# Altium PCB 0020-03_FFT2G.PcbDoc (part 1 of 16) (continued)
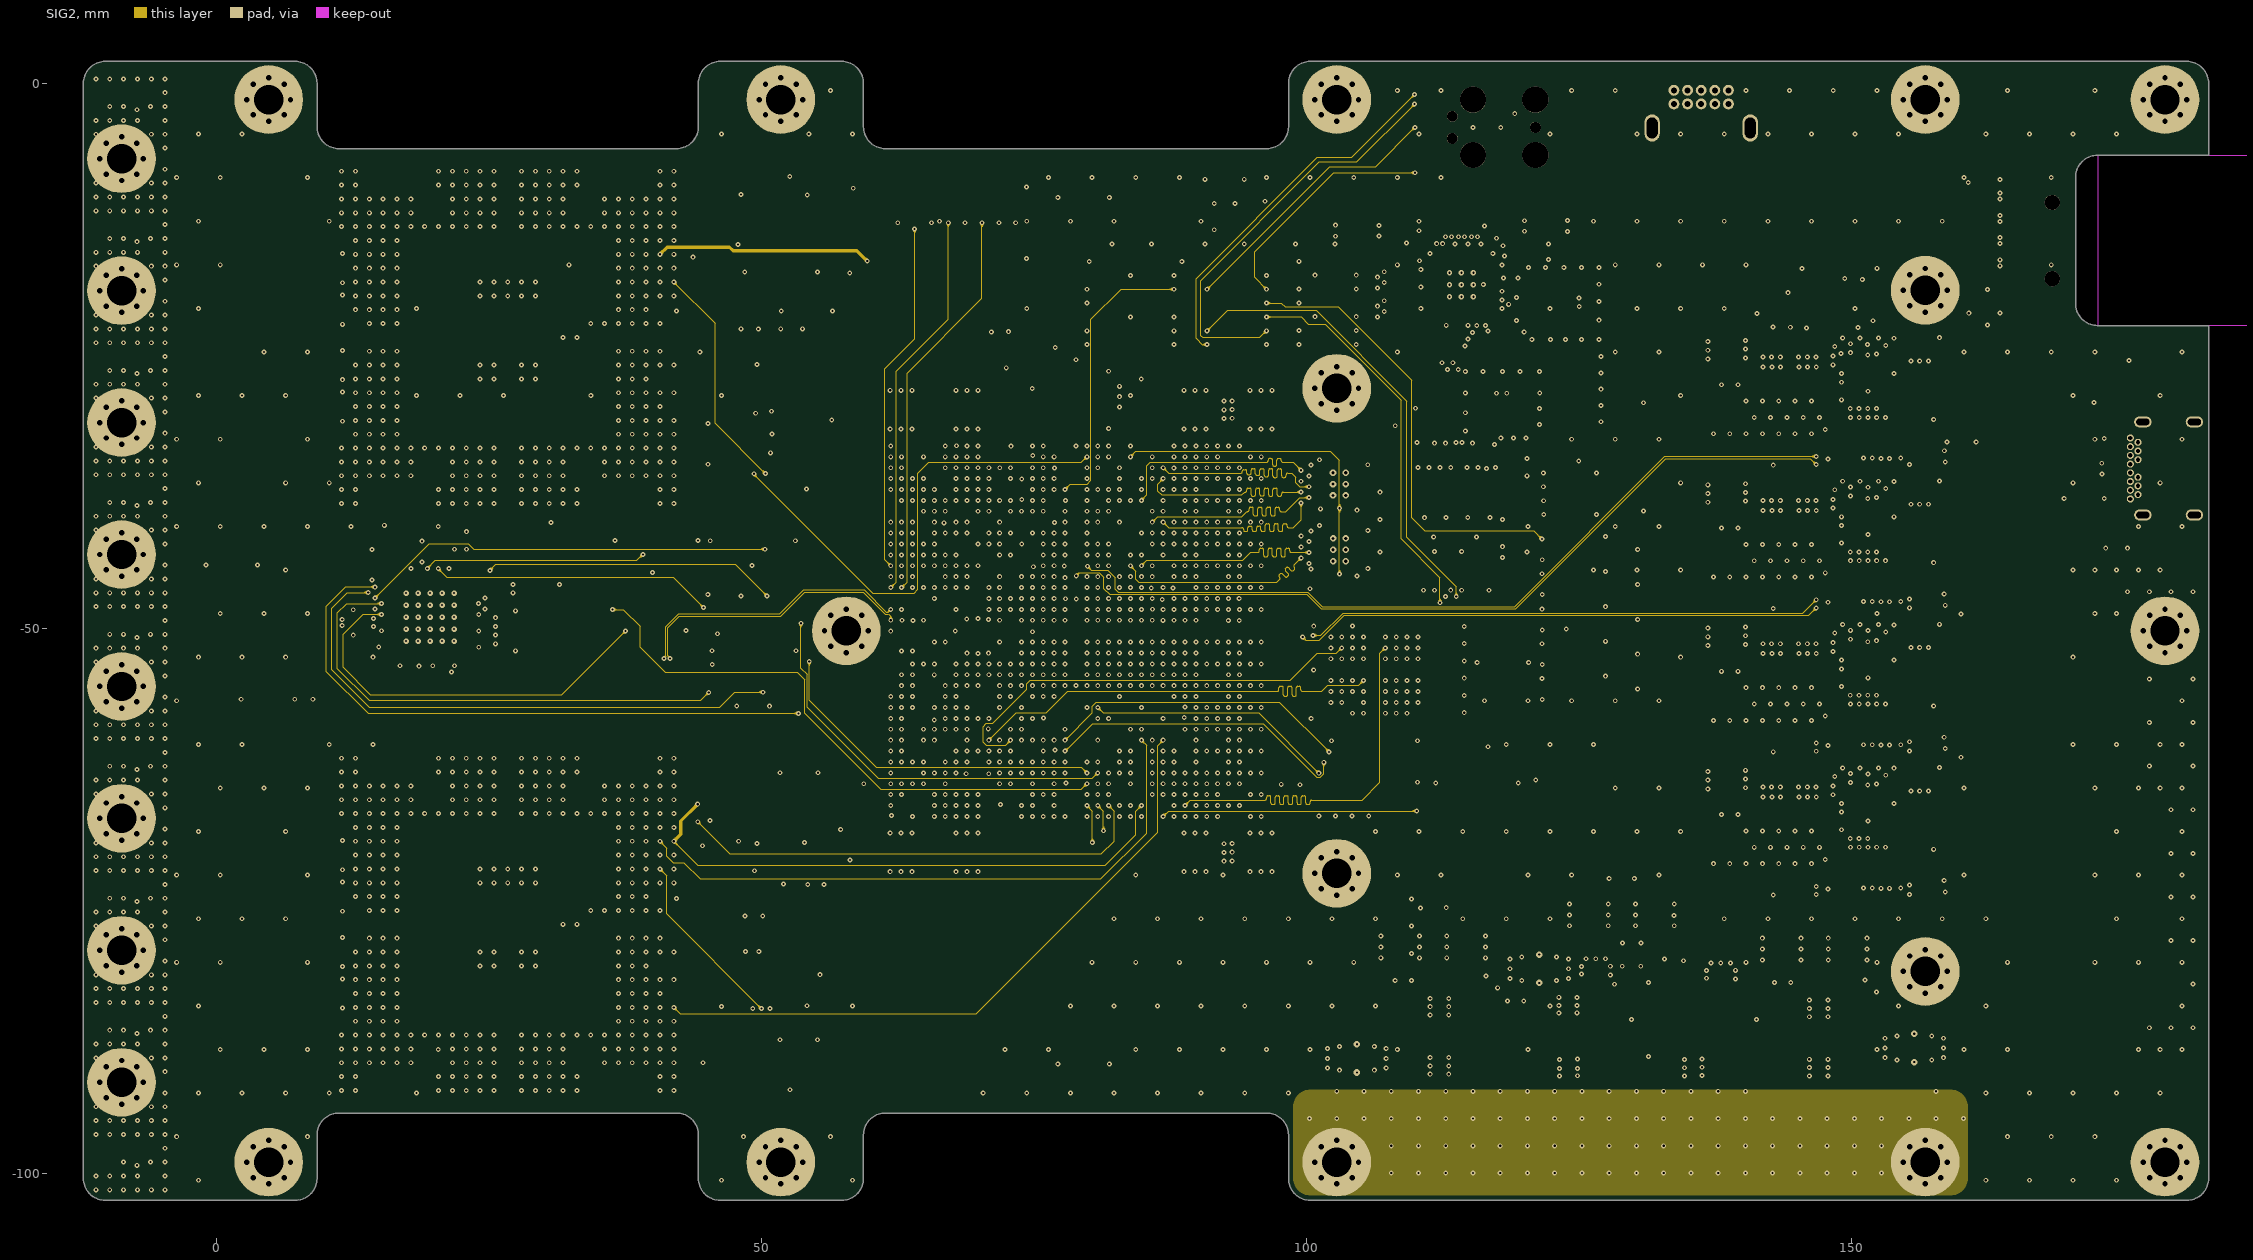
[diagram p10: SIG2]
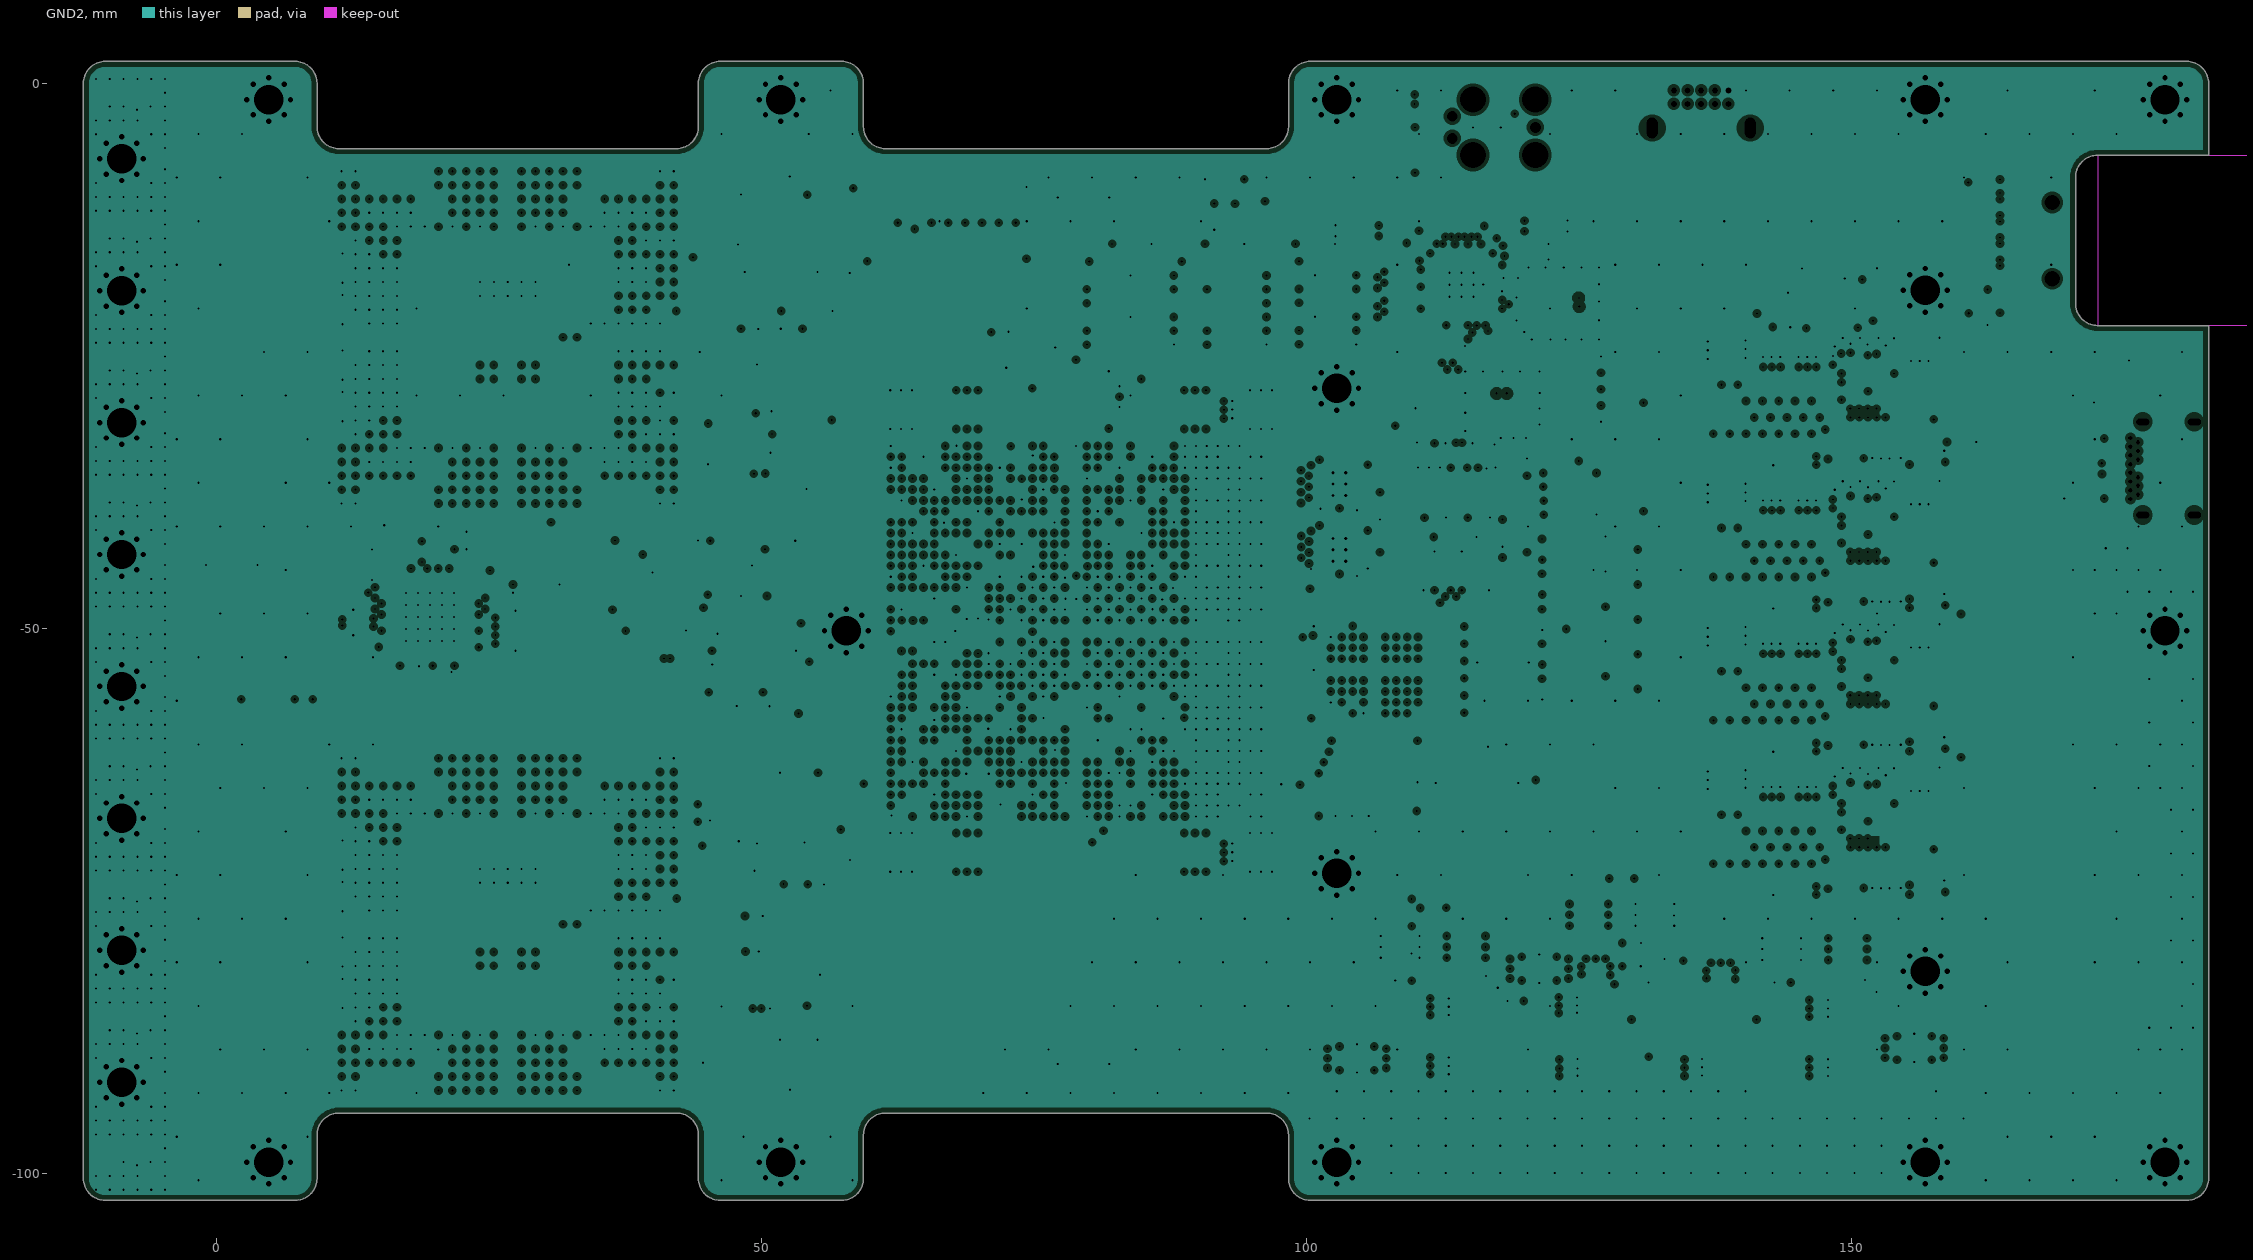
[diagram p11: GND2, clearances drawn from the general rule]

## Layer stack, top to bottom
Top Solder: solder mask 0.0102, Solder Resist, Dk 3.5
Top Layer: signal copper 0.018
Dielectric 2: prepreg 0.109, FR4 TG150, Dk 4
GND1: plane copper 0.018, net GND
Dielectric 1: core 0.1, FR4 TG150, Dk 4.5
LVDS1: signal copper 0.018
Dielectric1: prepreg 0.122, FR4 TG150, Dk 4.1
PWR1: plane copper 0.018, net (Multiple Nets)
Dielectric7: core 0.1, FR4 TG150, Dk 4.5
LVDS2: signal copper 0.018
Dielectric2: prepreg 0.122, FR4 TG150, Dk 4.1
PWR2: plane copper 0.018, net (Multiple Nets)
Dielectric3: core 0.1, FR4 TG150, Dk 4.5
LVDS3: signal copper 0.018
Dielectric4: prepreg 0.122, FR4 TG150, Dk 4.1
PWR3: plane copper 0.018, net (Multiple Nets)
Dielectric8: core 0.1, FR4 TG150, Dk 4.5
SIG1: signal copper 0.018
Dielectric5: prepreg 0.122, FR4 TG150, Dk 4.1
SIG2: signal copper 0.018
Dielectric6: core 0.1, FR4 TG150, Dk 4.5
GND2: plane copper 0.018, net GND
Dielectric9: prepreg 0.109, FR4 TG150, Dk 4
Bottom Layer: signal copper 0.018
Bottom Solder: solder mask 0.0102, Solder Resist, Dk 3.5

## Board outline
-10.2,-102.5 7.234,-102.5 ccw(c7.234,-100.5) 9.234,-100.5 9.234,-96.5 cw(c11.234,-96.5) 11.234,-94.5 42.228,-94.5 cw(c42.228,-96.5) 44.228,-96.5 44.228,-100.5 ccw(c46.228,-100.5) 46.228,-102.5 57.376,-102.5 ccw(c57.376,-100.5) 59.376,-100.5 59.376,-96.5 cw(c61.376,-96.5) 61.376,-94.5 96.375,-94.5 cw(c96.375,-96.5) 98.375,-96.5 98.375,-100.5 ccw(c100.375,-100.5) 100.375,-102.5 180.799,-102.5 ccw(c180.799,-100.5) 182.799,-100.5 182.799,-22.236 172.599,-22.236 cw(c172.599,-20.236) 170.599,-20.236 170.599,-8.616 cw(c172.599,-8.616) 172.599,-6.616 182.799,-6.616 182.799,0 ccw(c180.799,0) 180.799,2 100.375,2 ccw(c100.375,0) 98.375,0 98.375,-4 cw(c96.375,-4) 96.375,-6 61.376,-6 cw(c61.376,-4) 59.376,-4 59.376,0 ccw(c57.376,0) 57.376,2 46.228,2 ccw(c46.228,0) 44.228,0 44.228,-4 cw(c42.228,-4) 42.228,-6 11.234,-6 cw(c11.234,-4) 9.234,-4 9.234,0 ccw(c7.234,0) 7.234,2 -10.2,2 ccw(c-10.2,0) -12.2,0 -12.2,-100.5 ccw(c-10.2,-100.5)

## Design rules (kind name [scope] priority, off if disabled: settings)
BoardOutlineClearance [All] p1: gap=0.25 ignorepadtopadclearanceinfootprint=FALSE except(0: Arc-SplitContinuation Track-SplitContinuation SMDPad-SplitContinuation THPad-SplitContinuation Via-SplitContinuation Fill-SplitContinuation Poly-SplitContinuation Region-SplitContinuation Text-SplitContinuation)
Clearance [All] p1: gap=0.1 ignorepadtopadclearanceinfootprint=FALSE except(0: Arc-Hole Track-Hole SMDPad-Hole THPad-Hole Via-Hole Fill-Hole Poly-Hole Region-Hole Text-Hole)
ComponentClearance "ComponentClearance_PCB Objects" [InComponentClass('PCBObjects')] p1: gap=0 collisioncheckmode=3 verticalgap=0 showdistances=FALSE
ComponentClearance [All] p2: gap=0.1 collisioncheckmode=3 verticalgap=0.1 showdistances=TRUE
DiffPairsRouting "Schematic Differential Pairs Routing_9" [InNetClass('DiffPairs_FPGA')] p1: maxlimit=0.1 minlimit=0.1 mostfreqgap=0.1 toplayer_minwidth=0.1 toplayer_maxwidth=0.1 toplayer_prefwidth=0.1 midlayer1_minwidth=0.1 midlayer1_maxwidth=0.1 midlayer1_prefwidth=0.1 midlayer2_minwidth=0.1 midlayer2_maxwidth=0.1 midlayer2_prefwidth=0.1 midlayer3_minwidth=0.1 midlayer3_maxwidth=0.1 midlayer3_prefwidth=0.1 midlayer4_minwidth=0.1 midlayer4_maxwidth=0.1 midlayer4_prefwidth=0.1 midlayer5_minwidth=0.1 midlayer5_maxwidth=0.1 midlayer5_prefwidth=0.1 bottomlayer_minwidth=0.1 bottomlayer_maxwidth=0.1 bottomlayer_prefwidth=0.1 maxuncoupledlength=5
DiffPairsRouting "Schematic Differential Pairs Routing_2" [InNetClass('DiffPairs_FPGA_CLK')] p2: maxlimit=0.1 minlimit=0.1 mostfreqgap=0.1 toplayer_minwidth=0.1 toplayer_maxwidth=0.1 toplayer_prefwidth=0.1 midlayer1_minwidth=0.1 midlayer1_maxwidth=0.1 midlayer1_prefwidth=0.1 midlayer2_minwidth=0.1 midlayer2_maxwidth=0.1 midlayer2_prefwidth=0.1 midlayer3_minwidth=0.1 midlayer3_maxwidth=0.1 midlayer3_prefwidth=0.1 midlayer4_minwidth=0.1 midlayer4_maxwidth=0.1 midlayer4_prefwidth=0.1 midlayer5_minwidth=0.1 midlayer5_maxwidth=0.1 midlayer5_prefwidth=0.1 bottomlayer_minwidth=0.1 bottomlayer_maxwidth=0.1 bottomlayer_prefwidth=0.1 maxuncoupledlength=5
DiffPairsRouting "Schematic Differential Pairs Routing_7" [InNetClass('DiffPairs_Input')] p3: maxlimit=0.2 minlimit=0.2 mostfreqgap=0.2 toplayer_minwidth=0.3 toplayer_maxwidth=0.3 toplayer_prefwidth=0.3 midlayer1_minwidth=0.3 midlayer1_maxwidth=0.3 midlayer1_prefwidth=0.3 midlayer2_minwidth=0.3 midlayer2_maxwidth=0.3 midlayer2_prefwidth=0.3 midlayer3_minwidth=0.3 midlayer3_maxwidth=0.3 midlayer3_prefwidth=0.3 midlayer4_minwidth=0.3 midlayer4_maxwidth=0.3 midlayer4_prefwidth=0.3 midlayer5_minwidth=0.3 midlayer5_maxwidth=0.3 midlayer5_prefwidth=0.3 bottomlayer_minwidth=0.3 bottomlayer_maxwidth=0.3 bottomlayer_prefwidth=0.3 maxuncoupledlength=5
DiffPairsRouting "Schematic Differential Pairs Routing_6" [InNet('N_CLK_N')] p4: maxlimit=0.2 minlimit=0.2 mostfreqgap=0.2 toplayer_minwidth=0.2 toplayer_maxwidth=0.3 toplayer_prefwidth=0.3 midlayer1_minwidth=0.2 midlayer1_maxwidth=0.3 midlayer1_prefwidth=0.3 midlayer2_minwidth=0.2 midlayer2_maxwidth=0.3 midlayer2_prefwidth=0.3 midlayer3_minwidth=0.2 midlayer3_maxwidth=0.3 midlayer3_prefwidth=0.3 midlayer4_minwidth=0.2 midlayer4_maxwidth=0.3 midlayer4_prefwidth=0.3 midlayer5_minwidth=0.2 midlayer5_maxwidth=0.3 midlayer5_prefwidth=0.3 bottomlayer_minwidth=0.2 bottomlayer_maxwidth=0.3 bottomlayer_prefwidth=0.3 maxuncoupledlength=12.7
DiffPairsRouting "Schematic Differential Pairs Routing_5" [InNet('N_CLK_P')] p5: maxlimit=0.2 minlimit=0.2 mostfreqgap=0.2 toplayer_minwidth=0.2 toplayer_maxwidth=0.3 toplayer_prefwidth=0.3 midlayer1_minwidth=0.2 midlayer1_maxwidth=0.3 midlayer1_prefwidth=0.3 midlayer2_minwidth=0.2 midlayer2_maxwidth=0.3 midlayer2_prefwidth=0.3 midlayer3_minwidth=0.2 midlayer3_maxwidth=0.3 midlayer3_prefwidth=0.3 midlayer4_minwidth=0.2 midlayer4_maxwidth=0.3 midlayer4_prefwidth=0.3 midlayer5_minwidth=0.2 midlayer5_maxwidth=0.3 midlayer5_prefwidth=0.3 bottomlayer_minwidth=0.2 bottomlayer_maxwidth=0.3 bottomlayer_prefwidth=0.3 maxuncoupledlength=12.7
DiffPairsRouting "Schematic Differential Pairs Routing_4" [InNet('S_CLK_N')] p6: maxlimit=0.2 minlimit=0.2 mostfreqgap=0.2 toplayer_minwidth=0.2 toplayer_maxwidth=0.3 toplayer_prefwidth=0.3 midlayer1_minwidth=0.2 midlayer1_maxwidth=0.3 midlayer1_prefwidth=0.3 midlayer2_minwidth=0.2 midlayer2_maxwidth=0.3 midlayer2_prefwidth=0.3 midlayer3_minwidth=0.2 midlayer3_maxwidth=0.3 midlayer3_prefwidth=0.3 midlayer4_minwidth=0.2 midlayer4_maxwidth=0.3 midlayer4_prefwidth=0.3 midlayer5_minwidth=0.2 midlayer5_maxwidth=0.3 midlayer5_prefwidth=0.3 bottomlayer_minwidth=0.2 bottomlayer_maxwidth=0.3 bottomlayer_prefwidth=0.3 maxuncoupledlength=12.7
DiffPairsRouting "Schematic Differential Pairs Routing_3" [InNet('S_CLK_P')] p7: maxlimit=0.2 minlimit=0.2 mostfreqgap=0.2 toplayer_minwidth=0.2 toplayer_maxwidth=0.3 toplayer_prefwidth=0.3 midlayer1_minwidth=0.2 midlayer1_maxwidth=0.3 midlayer1_prefwidth=0.3 midlayer2_minwidth=0.2 midlayer2_maxwidth=0.3 midlayer2_prefwidth=0.3 midlayer3_minwidth=0.2 midlayer3_maxwidth=0.3 midlayer3_prefwidth=0.3 midlayer4_minwidth=0.2 midlayer4_maxwidth=0.3 midlayer4_prefwidth=0.3 midlayer5_minwidth=0.2 midlayer5_maxwidth=0.3 midlayer5_prefwidth=0.3 bottomlayer_minwidth=0.2 bottomlayer_maxwidth=0.3 bottomlayer_prefwidth=0.3 maxuncoupledlength=12.7
DiffPairsRouting "Schematic Differential Pairs Routing_1" [InNetClass('Diffpairs_USB')] p8: maxlimit=0.1 minlimit=0.1 mostfreqgap=0.1 toplayer_minwidth=0.1 toplayer_maxwidth=0.1 toplayer_prefwidth=0.1 midlayer1_minwidth=0.1 midlayer1_maxwidth=0.1 midlayer1_prefwidth=0.1 midlayer2_minwidth=0.1 midlayer2_maxwidth=0.1 midlayer2_prefwidth=0.1 midlayer3_minwidth=0.1 midlayer3_maxwidth=0.1 midlayer3_prefwidth=0.1 midlayer4_minwidth=0.1 midlayer4_maxwidth=0.1 midlayer4_prefwidth=0.1 midlayer5_minwidth=0.1 midlayer5_maxwidth=0.1 midlayer5_prefwidth=0.1 bottomlayer_minwidth=0.1 bottomlayer_maxwidth=0.1 bottomlayer_prefwidth=0.1 maxuncoupledlength=12.7
DiffPairsRouting "Schematic Differential Pairs Routing" [InNetClass('Diffpairs_ETH')] p9: maxlimit=0.1 minlimit=0.1 mostfreqgap=0.1 toplayer_minwidth=0.1 toplayer_maxwidth=0.1 toplayer_prefwidth=0.1 midlayer1_minwidth=0.1 midlayer1_maxwidth=0.1 midlayer1_prefwidth=0.1 midlayer2_minwidth=0.1 midlayer2_maxwidth=0.1 midlayer2_prefwidth=0.1 midlayer3_minwidth=0.1 midlayer3_maxwidth=0.1 midlayer3_prefwidth=0.1 midlayer4_minwidth=0.1 midlayer4_maxwidth=0.1 midlayer4_prefwidth=0.1 midlayer5_minwidth=0.1 midlayer5_maxwidth=0.1 midlayer5_prefwidth=0.1 bottomlayer_minwidth=0.1 bottomlayer_maxwidth=0.1 bottomlayer_prefwidth=0.1 maxuncoupledlength=12.7
DiffPairsRouting [All] p10 off: maxlimit=0.254 minlimit=0.254 mostfreqgap=0.254 toplayer_minwidth=0.381 toplayer_maxwidth=0.381 toplayer_prefwidth=0.381 midlayer1_minwidth=0.381 midlayer1_maxwidth=0.381 midlayer1_prefwidth=0.381 midlayer2_minwidth=0.381 midlayer2_maxwidth=0.381 midlayer2_prefwidth=0.381 midlayer3_minwidth=0.381 midlayer3_maxwidth=0.381 midlayer3_prefwidth=0.381 midlayer4_minwidth=0.381 midlayer4_maxwidth=0.381 midlayer4_prefwidth=0.381 midlayer5_minwidth=0.381 midlayer5_maxwidth=0.381 midlayer5_prefwidth=0.381 bottomlayer_minwidth=0.381 bottomlayer_maxwidth=0.381 bottomlayer_prefwidth=0.381 maxuncoupledlength=12.7
FabricationTestPointUsage TestPointUsage [All] p1: valid=0 allowmultiple=FALSE
FabricationTestpoint Testpoint [All] p1: side=3 testpointundercomponent=TRUE minsize=1.016 maxsize=2.54 preferedsize=1.524 minholesize=0 maxholesize=1.016 preferedholesize=0.813 testpointgrid=0.025 allowsidetop=TRUE allowsidebottom=TRUE usegrid=TRUE gridtolerance=0
Height [All] p1: minheight=0 maxheight=50 prefheight=12.7
HoleSize [All] p1: absolutevalues=TRUE maxlimit=5 minlimit=0.025 maxpercent=80.000 minpercent=20.000
HoleToHoleClearance [All] p1: gap=0.254 allowstackedmicrovias=FALSE
MatchedLengths "Schematic Matched Net Lengths" [InNetClass('Match_length_BPI_flash')] p1: tolerance=10 checknetsindiffpair=FALSE checkdiffpairvsdiffpair=TRUE checkxsignals=TRUE checkothers=TRUE
MatchedLengths Match_length_USB [InNetClass('Match_length_USB')] p2: tolerance=2 checknetsindiffpair=FALSE checkdiffpairvsdiffpair=TRUE checkxsignals=TRUE checkothers=TRUE
MatchedLengths Match_length_DiffPairs_FPGA [InNetClass('DiffPairs_FPGA')] p3: tolerance=1 checknetsindiffpair=FALSE checkdiffpairvsdiffpair=TRUE checkxsignals=TRUE checkothers=TRUE
MatchedLengths Match_length_DiffPairs_FPGA_within [InNetClass('DiffPairs_FPGA')] p4: tolerance=0.2 checknetsindiffpair=TRUE checkdiffpairvsdiffpair=FALSE checkxsignals=FALSE checkothers=FALSE
MatchedLengths InputDiffPairs [InNetClass('InputDiffPairs')] p5: tolerance=1 checknetsindiffpair=FALSE checkdiffpairvsdiffpair=TRUE checkxsignals=TRUE checkothers=TRUE
MatchedLengths USB_1 [InNetClass('Match_length_USB')] p6: tolerance=5 checknetsindiffpair=FALSE checkdiffpairvsdiffpair=TRUE checkxsignals=TRUE checkothers=TRUE
PlaneClearance [All] p1: clearance=0.3
PlaneConnect PlaneConnect_Power [inNetClass('powerNet')] p1: planeconnectstyle=Direct reliefexpansion=0.508 reliefentries=4 reliefconductorwidth=0.254 reliefairgap=0.254
PlaneConnect [All] p2: planeconnectstyle=Direct reliefexpansion=0.508 reliefentries=4 reliefconductorwidth=0.254 reliefairgap=0.254
PolygonConnect PolygonConnect1 [All] p1: connectstyle=Direct reliefconductorwidth=0.254 reliefentries=4 polygonreliefangle="90 Angle" airgapwidth=0.254
RoomDefinition "Ch_A 1.0V" [InComponentClass('Ch_A 1.0V')] p1: confinementstyle=ConfineIn formatcopy=TRUE lockcomponents=FALSE outline 163.339,-35.393 163.339,-22.744 134.205,-22.744 134.205,-35.393
RoomDefinition "Ch_D 3.8V" [InComponentClass('Ch_D 3.8V')] p2: confinementstyle=ConfineIn formatcopy=TRUE lockcomponents=FALSE outline 163.339,-74.841 163.339,-62.191 134.205,-62.191 134.205,-74.841
RoomDefinition "Ch_B 2.5V" [InComponentClass('Ch_B 2.5V')] p3: confinementstyle=ConfineIn formatcopy=TRUE lockcomponents=FALSE outline 163.339,-48.542 163.339,-35.893 134.205,-35.893 134.205,-48.542
RoomDefinition "Ch_C 2.3V" [InComponentClass('Ch_C 2.3V')] p4: confinementstyle=ConfineIn formatcopy=TRUE lockcomponents=FALSE outline 163.339,-61.691 163.339,-49.042 134.205,-49.042 134.205,-61.691
RoutingVias [All] p1: holewidth=0.2 width=0.45 viastyle="Through Hole" minholewidth=0.2 minwidth=0.45 maxholewidth=0.2 maxwidth=0.45
SilkToSilkClearance [All] p1: silktosilkclearance=0.1
SilkToSolderMaskClearance SilkscreenOverComponentPads [IsPad] p1: minsilkscreentomaskgap=0.1 clearancetoexposedcopper=TRUE
SolderMaskExpansion [All] p1: expansion=0.075 istentingtop=FALSE
Width Width_Power [InNetClass('Power')] p1: maxlimit=3 minlimit=0.15 preferedwidth=0.3
Width [All] p2: maxlimit=0.5 minlimit=0.1 preferedwidth=0.1
19 further rules are at their usual default settings.

## Classes and differential pairs
component class PCBObjects: J14.1 J14.2 J14.3 J14.4 J20.1 J20.2 J20.3 J20.4 P1 P2 P3 P4 P5 P6 P7 P8 P9 P10 P11 P12 P13 P14 P15 P16 P25 P26 P27 P28 P29 P30.1 P30.2 P30.3 P30.4 P31.1 P31.2 P31.3 P31.4 PCB1 PCB2
channel class "[19] Switching Regulator Module": "Ch_A 1.0V" "Ch_B 2.5V" "Ch_C 2.3V" "Ch_D 3.8V"
component class "Ch_D 3.8V": C187.4 C188.4 C193.4 C195.4 C197.4 C198.4 C200.4 C201.4 J12.4 J13.4 J14.4 J16.4 J20.4 J21.4 P30.4 P31.4 R47.4 R48.4 R130.4 R131.4 R132.4 R133.4 R144.4 R145.4 U30.4
component class "Ch_C 2.3V": C187.3 C188.3 C193.3 C195.3 C197.3 C198.3 C199.3 C200.3 C201.3 J12.3 J13.3 J14.3 J16.3 J20.3 J21.3 P30.3 P31.3 R47.3 R48.3 R130.3 R131.3 R132.3 R133.3 R144.3 R145.3 U30.3
component class "Ch_B 2.5V": C187.2 C188.2 C193.2 C195.2 C197.2 C198.2 C199.2 C200.2 C201.2 J12.2 J13.2 J14.2 J16.2 J20.2 J21.2 P30.2 P31.2 R47.2 R48.2 R130.2 R131.2 R132.2 R133.2 R144.2 R145.2 U30.2
component class "Ch_A 1.0V": C187.1 C188.1 C193.1 C195.1 C197.1 C198.1 C199.1 C200.1 C201.1 J12.1 J13.1 J14.1 J16.1 J20.1 J21.1 P30.1 P31.1 R47.1 R48.1 R130.1 R131.1 R132.1 R133.1 R144.1 R145.1 U30.1
channel class "[5] ADC_CURRENT_PUMP": ADC_CURRENT_PUMP1 ADC_CURRENT_PUMP2
channel class "[4] ADC_DECOUPLING": ADC_DECOUPLING1 ADC_DECOUPLING2
channel class "[3] ADC_INPUT_BIAS": ADC_INPUT_BIAS11 ADC_INPUT_BIAS12 ADC_INPUT_BIAS21 ADC_INPUT_BIAS22 ADC_INPUT_BIAS32
channel class "[2] ADC": ADC_NORTH ADC_SOUTH
component class POWER: C53 C60 C183 C184 C185 C194 C202 C203 C204 C205 L8 P21 P22 P23 P24 P25 R65 R69 R128 R129 R134 R135 R136 R137 R142 R143 TP14 TP15 U18 U31 U32
net class GPO[3..0]: GPO0 GPO1 GPO2 GPO3
net class GPI[3..0]: GPI0 GPI1 GPI2 GPI3
net class DiffPairs_FPGA_CLK: FPGA_CLK_N FPGA_CLK_P
net class Diffpairs_ETH: ETH_D0_N ETH_D0_P ETH_D1_N ETH_D1_P ETH_D2_N ETH_D2_P ETH_D3_N ETH_D3_P
net class Diffpairs_USB: USB_D_N USB_D_P
net class ETH_RGMII: ETH_RGMII.RX_CLK ETH_RGMII.RX_CTL ETH_RGMII.RXD0 ETH_RGMII.RXD1 ETH_RGMII.RXD2 ETH_RGMII.RXD3 ETH_RGMII.TX_CLK ETH_RGMII.TX_CTL ETH_RGMII.TXD0 ETH_RGMII.TXD1 ETH_RGMII.TXD2 ETH_RGMII.TXD3
net class ETH_TXD[0..3]: ETH_RGMII.TXD0 ETH_RGMII.TXD1 ETH_RGMII.TXD2 ETH_RGMII.TXD3
net class ETH_RXD[0..3]: ETH_RGMII.RXD0 ETH_RGMII.RXD1 ETH_RGMII.RXD2 ETH_RGMII.RXD3
component class ETH: C72 C73 C74 C75 C76 C77 C78 C79 C80 C81 C82 C83 F12 F13 R49 R50 R51 R52 R53 R54 R55 R56 R57 R138 R139 U13 X3
net class Match_length_BPI_flash: BPI_A0 BPI_A1 BPI_A2 BPI_A3 BPI_A4 BPI_A5 BPI_A6 BPI_A7 BPI_A8 BPI_A9 BPI_A10 BPI_A11 BPI_A12 BPI_A13 BPI_A14 BPI_A15 BPI_A16 BPI_A17 BPI_A18 BPI_A19 BPI_A20 BPI_A21 BPI_A22 BPI_A23 BPI_A24 BPI_DQ0 BPI_DQ1 BPI_DQ2 BPI_DQ3 BPI_DQ4 BPI_DQ5 BPI_DQ6 BPI_DQ7 BPI_DQ8 BPI_DQ9 BPI_DQ10 BPI_DQ11 BPI_DQ12 BPI_DQ13 BPI_DQ14 BPI_DQ15
net class DiffPairs_FPGA: NA.0_N NA.0_P NA.1_N NA.1_P NA.2_N NA.2_P NA.3_N NA.3_P NA.4_N NA.4_P NA.5_N NA.5_P NA.6_N NA.6_P NA.7_N NA.7_P NA.8_N NA.8_P NA.9_N NA.9_P NA.DR_N NA.DR_P NA.OR_N NA.OR_P NB.0_N NB.0_P NB.1_N NB.1_P NB.2_N NB.2_P NB.3_N NB.3_P NB.4_N NB.4_P NB.5_N NB.5_P NB.6_N NB.6_P NB.7_N NB.7_P NB.8_N NB.8_P NB.9_N NB.9_P NB.DR_N NB.DR_P NB.OR_N NB.OR_P NC.0_N NC.0_P NC.1_N NC.1_P NC.2_N NC.2_P NC.3_N NC.3_P NC.4_N NC.4_P NC.5_N NC.5_P NC.6_N NC.6_P NC.7_N NC.7_P NC.8_N NC.8_P NC.9_N NC.9_P NC.DR_N NC.DR_P NC.OR_N NC.OR_P ND.0_N ND.0_P ND.1_N ND.1_P ND.2_N ND.2_P ND.3_N ND.3_P ND.4_N ND.4_P ND.5_N ND.5_P ND.6_N ND.6_P ND.7_N ND.7_P ND.8_N ND.8_P ND.9_N ND.9_P ND.DR_N ND.DR_P ND.OR_N ND.OR_P SA.0_N SA.0_P SA.1_N SA.1_P SA.2_N SA.2_P SA.3_N SA.3_P SA.4_N SA.4_P SA.5_N SA.5_P SA.6_N SA.6_P SA.7_N SA.7_P SA.8_N SA.8_P SA.9_N SA.9_P SA.DR_N SA.DR_P SA.OR_N SA.OR_P SB.0_N SB.0_P SB.1_N SB.1_P SB.2_N SB.2_P SB.3_N SB.3_P SB.4_N SB.4_P SB.5_N SB.5_P SB.6_N SB.6_P SB.7_N SB.7_P SB.8_N SB.8_P SB.9_N SB.9_P SB.DR_N SB.DR_P SB.OR_N SB.OR_P SC.0_N SC.0_P SC.1_N SC.1_P SC.2_N SC.2_P SC.3_N SC.3_P SC.4_N SC.4_P SC.5_N SC.5_P SC.6_N SC.6_P SC.7_N SC.7_P SC.8_N SC.8_P SC.9_N SC.9_P SC.DR_N SC.DR_P SC.OR_N SC.OR_P SD.0_N SD.0_P SD.1_N SD.1_P SD.2_N SD.2_P SD.3_N SD.3_P SD.4_N SD.4_P SD.5_N SD.5_P SD.6_N SD.6_P SD.7_N SD.7_P SD.8_N SD.8_P SD.9_N SD.9_P SD.DR_N SD.DR_P SD.OR_N SD.OR_P
net class DiffPairs_Input: ADC_INP.1_N ADC_INP.1_P ADC_INP.2_N ADC_INP.2_P ADC_INP.3_N ADC_INP.3_P ADC_INP.4_N ADC_INP.4_P ADC_INP.5_N ADC_INP.5_P ADC_INP.6_N ADC_INP.6_P ADC_INP.7_N ADC_INP.7_P ADC_INP.8_N ADC_INP.8_P
net class Power: +1V8 +1V8-LDO +2V3 +3.8V +3V3 +3V3-LDO +3V3A +3V3A-LDO +AVDD NetC53_2 NetC59_1 NetC60_2 NetC183_2 NetC184_2 NetR36_1 SYSMON_GND
net class Match_length_USB: FPGA_USB_CLKOUT FPGA_USB_D0 FPGA_USB_D1 FPGA_USB_D2 FPGA_USB_D3 FPGA_USB_D4 FPGA_USB_D5 FPGA_USB_D6 FPGA_USB_D7 FPGA_USB_OEN FPGA_USB_RDN FPGA_USB_RXFN FPGA_USB_SIWUA FPGA_USB_TXEN FPGA_USB_WRN
net class USB_D[7..0]: USB.D0 USB.D1 USB.D2 USB.D3 USB.D4 USB.D5 USB.D6 USB.D7
component class FPGA_MONITOR: R120 R121 R122
component class ADC_SOUTH: C1.2 C2.2 C3.2 D4.2 D5.2 R58.2 R59.2 R60.2 R61.2 R62.2 R63.2 R64.2 U1.2 U14.2 U15.2
component class ADC_NORTH: C1.1 C2.1 C3.1 D4.1 D5.1 R58.1 R59.1 R60.1 R61.1 R62.1 R63.1 R64.1 U1.1 U14.1 U15.1
component class FPGA_ADC_N: R84 R85 R86 R87 R88 R89 R90 R91 R92 R93 R94 R95 R96 R97 R98 R99 U19
component class ADC_DECOUPLING2: C89.2 C90.2 C91.2 C92.2 C93.2 C94.2 C95.2 C96.2 C97.2 C98.2 C99.2 C100.2 C101.2 C102.2 C103.2 C104.2 C105.2 C106.2 C107.2 C108.2 C109.2 C110.2 C111.2 C112.2 C113.2 C114.2 C115.2 C116.2 C117.2 C118.2 C119.2 C120.2 C121.2 C122.2 C123.2 C124.2 C125.2 C126.2 C127.2 C128.2 C129.2 C130.2 C131.2 C132.2 C133.2 C134.2 C135.2 C136.2 C137.2 C138.2 C139.2 C140.2 C141.2 C142.2 C143.2 C144.2 C145.2 C146.2 C147.2 C148.2 C149.2 C150.2 C151.2 C152.2 C153.2 C154.2 C155.2 C156.2 C157.2
component class ADC_DECOUPLING1: ADCcap1.C94 ADCcap1.C96 ADCcap1.C97 C89.1 C90.1 C91.1 C92.1 C93.1 C94.1 C95.1 C96.1 C97.1 C98.1 C99.1 C100.1 C101.1 C102.1 C103.1 C104.1 C105.1 C106.1 C107.1 C108.1 C109.1 C110.1 C111.1 C112.1 C113.1 C114.1 C115.1 C116.1 C117.1 C118.1 C119.1 C120.1 C121.1 C122.1 C123.1 C124.1 C125.1 C126.1 C127.1 C128.1 C129.1 C130.1 C131.1 C132.1 C133.1 C134.1 C135.1 C136.1 C137.1 C138.1 C139.1 C140.1 C141.1 C142.1 C143.1 C144.1 C145.1 C146.1 C147.1 C148.1 C149.1 C150.1 C151.1 C152.1 C153.1 C154.1 C155.1 C156.1 C157.1